# KiCad board engine-control-unit_prototype.kicad_pcb (continued)
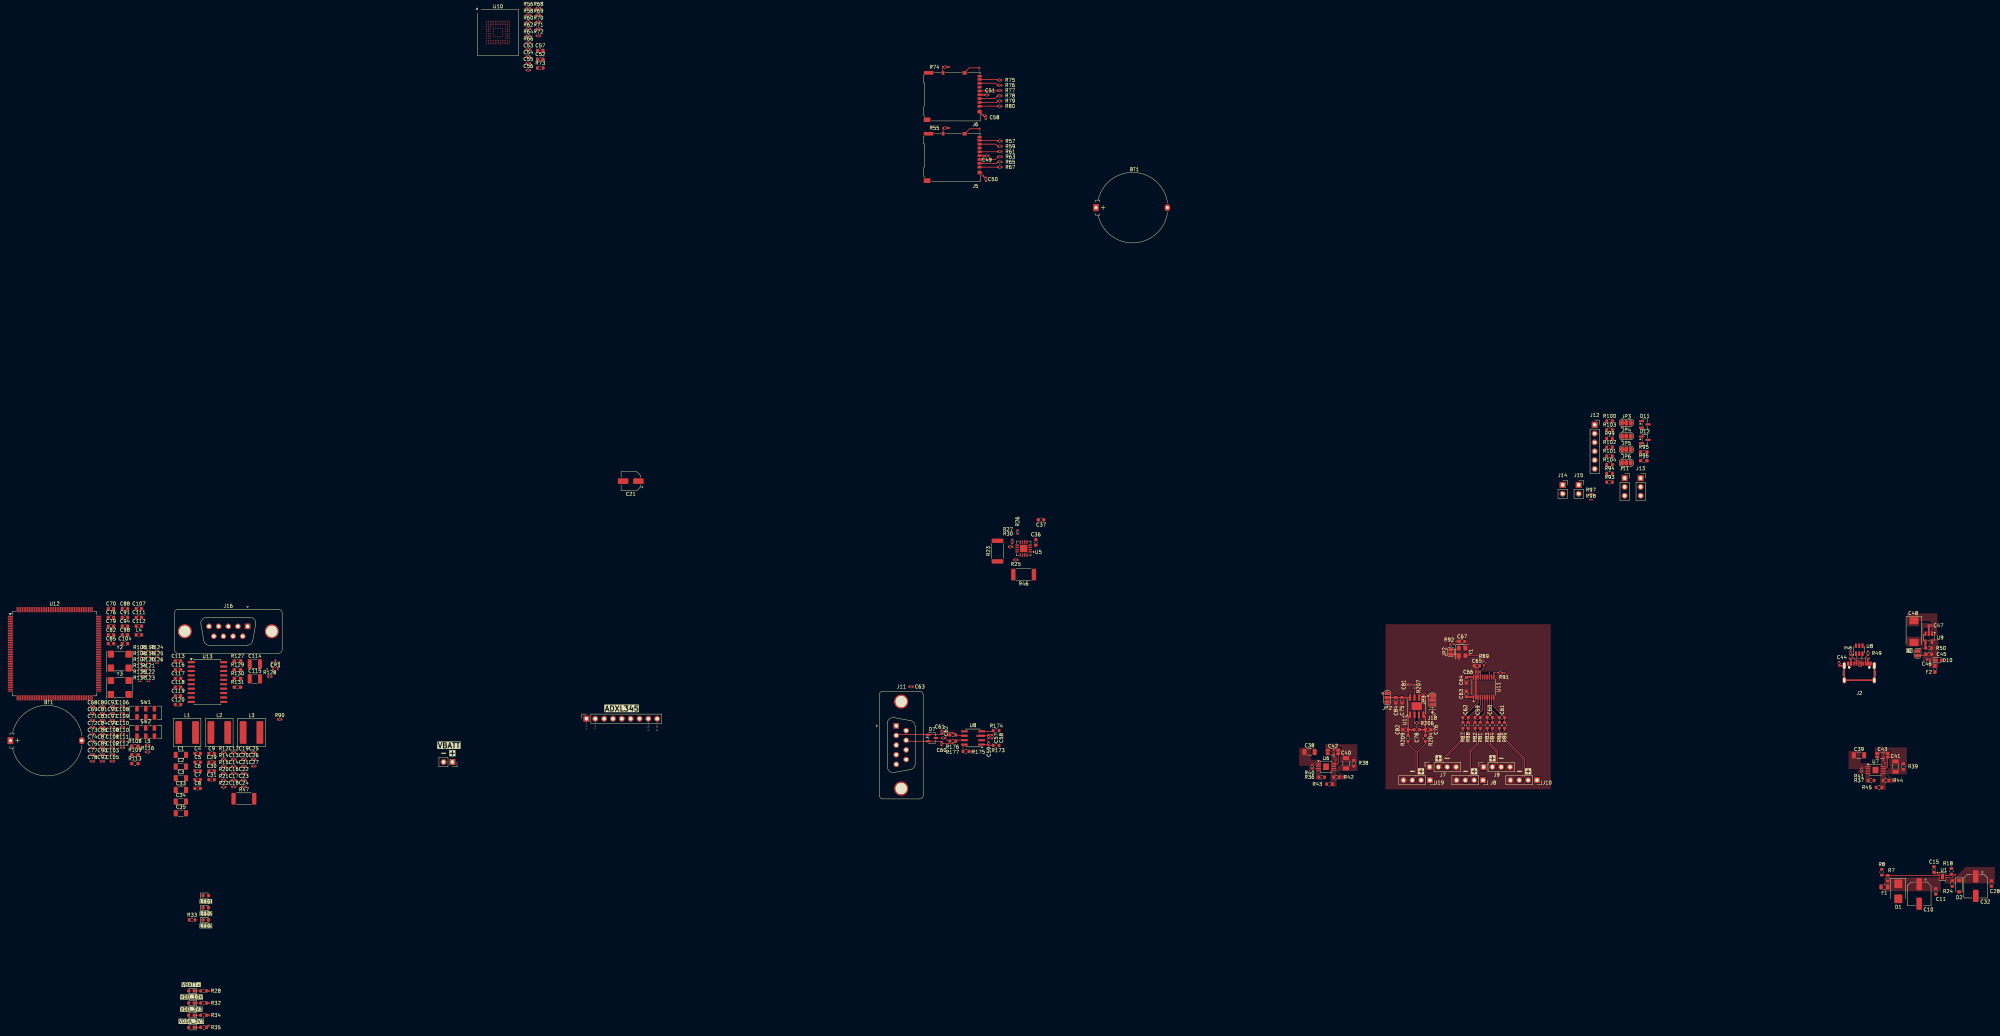
[diagram p0: board, top side]
## Routing (per net, layer and track width the routed paths; a pad name or vN(x,y) marks a point on that pad's centre or on a via; arc(x,y) is an arc through that point) (continued)
VDD_3V3: length 17.7
  Top w0.2: J5.4 v1(279.52,250.65) 280.02,250.65 C49.2 ; R74.1 269.69,276.12 v1(269.72,276.15) ; 417.15,110.17 C67.2 ; 417.15,110.17 414.69,110.17 R92.1 ; 417.15,110.17 418.1,109.22 Y1.4 ; R55.1 269.75,258.59 v1(269.77,258.62) ; C58.1 C57.2 280.86,83.86 U8.3 279.05,83.84 ; 278.39,268.18 v1(279.47,268.18) 279.92,268.18 279.97,268.13 ; R91.1 v1(429.4,101.95) ; R175.2 v1(276.07,79.34)
  Top w0.4: C64.1 418.46,100.71 v1(419.4,100.71) U11.20 ; v1(277.82,83.84) 279.05,83.84
VDDA: length 6.6
  Top w0.4: JP2.2 395.64,94.85 C84.2 398.15,94.82 C75#2.2 401.12,94.82 v1(401.12,94.83) U11#2.8
VDDA_3V3: length 2.1
  Top w0.4: C63#2.2 418.46,94.99 v1(419.62,94.99) U11.1
/ADC/ADS_SYNC/RESET: length 2.6
  Top w0.2: R91.2 v2(426.3,101.95) U11.11
/ADC/IN1+: length 12.5
  Top w0.2: J19.2 404.35,72.11 404.35,79.26 406.62,81.54 R204.2
/ADC/IN1-: length 12.6
  Top w0.2: R209.2 401.62,81.54 403.89,79.26 403.89,72.13 J19.3
/ADC/IN2+: length 14.5
  Top w0.2: R87.2 417.37,85.31 417.89,84.79 417.89,83.7 411.4,77.2 411.4,75.92 J7.2
/ADC/IN2-: length 14.5
  Top w0.2: J7.3 411.86,75.92 411.86,77.02 418.35,83.51 418.35,84.79 418.87,85.31 R88.2
/ADC/IN3+: length 16.5
  Top w0.2: R81.2 422.37,85.31 421.85,84.79 421.85,81.44 419.59,79.18 419.59,72.12 J8.2
/ADC/IN3-: length 16.5
  Top w0.2: J8.3 419.13,72.12 419.13,79.37 421.39,81.63 421.39,84.79 420.87,85.31 R82.2
/ADC/IN4+: length 12.6
  Top w0.2: R83.2 424.37,85.31 424.89,84.79 424.89,81.35 426.9,79.34 426.9,75.92 J9.2
/ADC/IN4-: length 12.6
  Top w0.2: J9.3 427.36,75.92 427.36,79.53 425.35,81.54 425.35,84.79 425.87,85.31 R84.2
/ADC/IN5+: length 18.2
  Top w0.2: R85.2 429.37,85.31 428.85,84.79 428.85,83.66 435.09,77.42 435.09,72.12 J10.2
/ADC/IN5-: length 18.2
  Top w0.2: R86.2 427.87,85.31 428.39,84.79 428.39,83.47 434.63,77.23 434.63,72.12 J10.3
/ADC/PT1: length 1.1
  Top w0.2: R207.1 403.49,98.53 C81#2.2
/COMMUNICATION/ADXL_SCL: length 2.3
  Top w0.2: 185.79,88.69 J4.9
  Bottom w0.2: R52.2 185.79,88.69
/COMMUNICATION/ADXL_SDA: length 2.3
  Top w0.2: 183.29,88.73 J4.8
  Bottom w0.2: R51.2 183.29,88.73
/COMMUNICATION/CANH: length 17.6
  Top w0.2: U8.7 271.9,82.59 R177.1 270.87,81.56 268.08,81.56 C60#2.2 267.38,82.26 D7#2.2 257.69,82.27 J11#2.7
/COMMUNICATION/CANL: length 20.4
  Top w0.2: 254.56,83.94 254.78,84.16 D7#2.1 ; 263.69,84.16 267.38,84.17 C61.2 268.08,84.87 270.87,84.87 R176.1 271.88,83.86 U8.6
/COMMUNICATION/TCAN_STBY: length 2.1
  Top w0.2: R175.1 273.75,80.94 U8.8
/GPIO_EXTI2: length 1.2
  Top w0.2: v2(425,101.95) U11.13
/POWER/EFUSE_FLT: length 2.8
  Top w0.2: v1(558.73,43.86) 558.73,43.84 558.01,43.12 556.2,43.12
/POWER/Psense2_IN+: length 10.2
  Top w0.2: U6.9 381.05,75.45 381.55,75.95 C42.1
  Bottom w0.2: v1(380.8,76.95) 380.8,74.2 v1(383.05,71.95)
  vias: v1(380.3,79.7) v1(380.3,78.7) v1(380.3,77.7)
/POWER/Psense3_IN+: length 10.2
  Top w0.2: C43.1 539.45,75 538.95,74.5 U7.9
  Bottom w0.2: v1(538.7,76) 538.7,73.25 v1(540.95,71)
  vias: v1(538.2,78.75) v1(538.2,77.75) v1(538.2,76.75)
/SD1_DET: length 1.7
  Top w0.2: R55.2 268,258.55 J5.10
/SD2_DET: length 1.7
  Top w0.2: 267.94,276.12 267.89,276.07 267.89,274.48
/SDMMC1_CK: length 5.3
  Top w0.2: J5.5 283.71,251.75 283.8,251.84
/SDMMC1_CMD: length 5.6
  Top w0.2: J5.3 283.01,249.55 R63.2
/SDMMC1_D0: length 5.6
  Top w0.2: 283.8,253.34 283.19,253.95 J5.7
/SDMMC1_D1: length 5.4
  Top w0.2: J5.8 283.6,255.05 R57.2
/SDMMC1_D2: length 5.3
  Top w0.2: R67.2 283.8,247.35 J5.1
/SDMMC1_D3: length 5.5
  Top w0.2: R65.2 283.4,248.45 J5.2
/SDMMC2_CK: length 5.3
  Top w0.2: 278.39,269.28 283.6,269.28 283.69,269.38
/SDMMC2_CMD: length 5.6
  Top w0.2: 283.7,267.88 282.9,267.08 278.39,267.08
/SDMMC2_D0: length 5.6
  Top w0.2: 278.39,271.48 283.09,271.48 283.69,270.88
/SDMMC2_D1: length 5.4
  Top w0.2: 283.69,272.38 283.48,272.58 278.39,272.58
/SDMMC2_D2: length 5.3
  Top w0.2: 278.39,264.88 283.69,264.88 283.69,264.88
/SDMMC2_D3: length 5.5
  Top w0.2: 283.69,266.38 283.3,265.98 278.39,265.98
Net-(C62-Pad2): length 3.6
  Top w0.2: R177.2 269.43,82.34 268.55,83.22 269.43,84.09 R176.2
Net-(D3-K): length 1.9
  Top w0.2: R28.1 D3.1
Net-(D6-K): length 1.9
  Top w0.2: D6.1 R32.1
Net-(D8-K): length 1.9
  Top w0.2: D8.1 R34.1
Net-(D9-K): length 1.9
  Top w0.2: D9.1 R35.1
Net-(F2-Pad1): length 8.8
  Top w0.4: v1(528.52,106.09) 528.9,105.71 J2.A4 ; v1(534.02,106.09) 533.7,105.76 J2.A9
  Bottom w0.4: v1(534.02,106.09) v1(528.52,106.09)
Net-(J2-CC1): length 3
  Top w0.2: J2.A5 530.05,105.8 R48.2
Net-(J2-CC2): length 2.8
  Top w0.2: J2.B5 533.05,106.35 R49.1
Net-(J2-D+-PadA6): length 5.4
  Top w0.2: U8#2.3 532.05,107.27 J2.B6 532.05,103.98 531.78,103.71 531.31,103.71 531.05,103.98 J2.A6
Net-(J2-D--PadA7): length 5.4
  Top w0.2: J2.A7 531.55,105.19 531.28,105.46 530.81,105.46 530.55,105.19 J2.B7 530.55,107.23 U8#2.1
Net-(J2-SHIELD): length 18.5
  Top w0.4: J2.S1 J2.S1 J2.S1 J2.S1 525.62,104.01 C44.2
Net-(J4-Pin_1): length 2.2
  Top w0.2: 165.54,88.74 J4.1
  Bottom w0.2: R54.2 165.54,88.74
Net-(J4-Pin_2): length 2.2
  Top w0.2: 168.04,88.72 J4.2
  Bottom w0.2: R53.2 168.04,88.72
Net-(J5-SHIELD): length 22
  Top w0.2: 280.31,244.32 279.98,244.32 ; 279.98,244.32 v1(279.48,244.82) ; 279.98,244.32 J5.11 ; v1(278.52,258.38) 275.63,258.38 J5.11
  Bottom w0.2: v1(279.48,244.82) 278.52,245.77 v1(278.52,258.38)
Net-(J6-SHIELD): length 22
  Top w0.2: v1(278.42,275.9) 275.51,275.9 274.09,274.48 ; 280.2,261.86 279.87,261.86 ; 279.87,261.86 v1(279.37,262.36) ; 279.87,261.86 278.39,263.33
  Bottom w0.2: v1(278.42,275.9) 278.42,263.31 v1(279.37,262.36)
Net-(J11-PAD): length 0.3
  Top w0.2: 253.83,93.43 254.04,93.64
Net-(J18-Pin_1): length 2.2
  Top w0.2: JP3#2.3 J18.1
Net-(JP1-B): length 4.7
  Top w0.2: JP1.2 548.88,109.05 R50.2 550.3,109.17
  Top w0.5: U9.4 550.3,109.17
Net-(JP2-B): length 4.2
  Top w0.2: R92.2 413.64,108.86 JP2#2.2 415.75,108.6 Y1.1
Net-(JP3-C): length 5.9
  Top w0.2: JP3#2.2 407.67,94.1 407.56,94.21 407.56,95.1 406.56,96.1 405.68,96.1 404.75,95.17 U11#2.6
Net-(U1-dVdt): length 1.7
  Top w0.2: C15.1 553.23,44.12 554.3,44.12
Net-(U1-EN/UVLO): length 16.6
  Top w0.2: 554.3,43.62 539.58,43.62 R7.2 539.4,43.8 R8.1
Net-(U1-ILM): length 1.7
  Top w0.2: R18.1 557.33,43.62 556.2,43.62
Net-(U8-RXD): length 3.1
  Top w0.2: U8.4 282.21,85.13
Net-(U8-TXD): length 3.4
  Top w0.2: 254.02,89.41 254.04,89.39 ; 282.4,81.11 C59#2.2 280.86,81.32 U8.1
Net-(U11-+): length 7.9
  Top w0.4: C76#2.1 406.62,85.55 R204.1 ; C76#2.1 C78#2.2 ; C76#2.1 406.6,89.31 U11#2.4
Net-(U11--): length 7.9
  Top w0.4: U11#2.1 401.64,89.31 C82.2 ; C82.2 401.64,84.02 401.62,84 R209.1 ; C82.2 C78#2.1
Net-(U11-AIN0N): length 8.8
  Top w0.2: R88.1 418.87,89.08 C62.1 422.39,92.6 U11.4
Net-(U11-AIN0P): length 9.1
  Top w0.2: U11.3 421.75,93.5 C62.2 417.37,89.08 R87.1
Net-(U11-AIN1N): length 8.2
  Top w0.2: R82.1 420.87,89.08 C59.1 423.05,91.3 U11.5
Net-(U11-AIN1P): length 7.9
  Top w0.2: U11.6 423.69,90.4 C59.2 422.37,89.08 R81.1
Net-(U11-AIN2N): length 7.7
  Top w0.2: R84.1 425.87,89.08 C60.1 425,90 U11.8
Net-(U11-AIN2P): length 7.3
  Top w0.2: U11.7 C60.2 424.37,89.08 R83.1
Net-(U11-AIN3N): length 8.2
  Top w0.2: R86.1 427.87,89.08 C61#2.1 425.64,91.3 U11.9
Net-(U11-AIN3P): length 8.6
  Top w0.2: U11.10 426.3,92.2 C61#2.2 429.37,89.08 R85.1
Net-(U11-CAP): length 3.4
  Top w0.2: C65.2 422.14,103.95 421.75,103.55 U11.18
Net-(U11-CLKIN): length 4
  Top w0.2: R89.2 423.4,103.37 C66.2 422.39,102.03 U11.17
Net-(U11-RG+): length 2.4
  Top w0.2: U11#2.2 403.49,87.66 R206.1
Net-(U11-RG-): length 2.4
  Top w0.2: U11#2.3 404.75,87.66 R206.2
Net-(U11-VOUT): length 2.7
  Top w0.2: R207.2 403.49,97.51 U11#2.7
Net-(Y1-OUT): length 6
  Top w0.2: Y1.3 421.76,106.85 R89.1

## Copper pours and planes (outline as drawn; the poured copper is in the pictures)
GND on Top: 544.87,109.55 549.75,109.55 549.75,114.8 551.5,114.8 551.5,116.3 549,116.3 549,112.3 544.87,112.3
GND on Top: 551.25,108.05 551.25,105.3 549.5,105.3 549.5,108.05
GND on Top: 377.8,79.2 377.8,81.45 387.05,81.45 387.05,75.95 382.05,75.95 382.05,79.2
GND on Top: 535.7,78.25 535.7,80.5 544.95,80.5 544.95,75 539.95,75 539.95,78.25
GND on Top: 395.15,68.45 395.15,115.95 442.65,115.95 442.65,68.45
VBAT_SAFE on Top: 555.75,41.38 570.25,41.38 570.25,46.12 561.75,46.12 558.5,42.88 555.75,42.88
VDD50_USB on Top: 551.75,112.55 551.75,116.8 548.5,116.8 548.5,115.3 545,115.3 545,119.05 553.75,119.05 553.75,112.55
VDD_3V3 on In1.Cu, In2.Cu: 431.65,115.95 411.4,115.95 411.4,99.7 431.65,99.85
/COMMUNICATION/RCP_IN on Top: 554,111.8 551.25,111.8 551.25,103.3 554,103.3
/POWER/EFUSE_VBATT on Top: 554.75,43.12 538.5,43.12 538.5,39.12 554.75,39.12
/POWER/LDO3V3A_CSET on Top: 537.45,73.75 538.95,73.75 539.95,74.75 544.95,74.75 544.95,72.75 539.45,72.75 538.95,73.25 537.45,73.25
/POWER/LDO3V3A_ILIM on Top: 532.95,73.25 532.95,70.25 534.45,70.25 534.45,73.25
/POWER/LDO3V3A_PG on Top: 534.45,73.75 532.95,73.75 532.7,74 530.95,74 530.95,73 532.7,73 532.95,73.25 534.45,73.25
/POWER/LDO3V3A_PGFB on Top: 537.2,73.25 537.2,68.25 538.95,68.25 538.95,73.25
/POWER/LDO10V_CSET on Top: 379.55,74.7 381.05,74.7 382.05,75.7 387.05,75.7 387.05,73.7 381.55,73.7 381.05,74.2 379.55,74.2
/POWER/LDO10V_ILIM on Top: 375.05,74.2 375.05,71.2 376.55,71.2 376.55,74.2
/POWER/LDO10V_PG on Top: 376.55,74.7 375.05,74.7 374.8,74.95 373.05,74.95 373.05,73.95 374.8,73.95 375.05,74.2 376.55,74.2
/POWER/LDO10V_PGFB on Top: 379.3,74.2 379.3,69.2 381.05,69.2 381.05,74.2
/POWER/Psense2_IN+ on Top: 381.3,72.7 383.55,72.7 383.55,71.2 381.3,71.2
/POWER/Psense2_IN+ on Top: 379.55,75.7 381.05,75.7 381.3,75.95 381.3,78.2 380.8,78.2 380.8,79.2 382.3,79.2 382.3,80.45 379.55,80.45
/POWER/Psense2_IN+ on Bottom: 379.55,75.7 379.55,80.45 382.3,80.45 382.3,75.7
/POWER/Psense3_IN+ on Top: 537.45,74.75 538.95,74.75 539.2,75 539.2,77.25 538.7,77.25 538.7,78.25 540.2,78.25 540.2,79.5 537.45,79.5
/POWER/Psense3_IN+ on Top: 539.2,71.75 541.45,71.75 541.45,70.25 539.2,70.25
/POWER/Psense3_IN+ on Bottom: 537.45,74.75 537.45,79.5 548.7,79.5 548.7,75.75 540.2,74.75
/POWER/TPS3V3A_VOUT on Top: 534.45,74.25 528.2,74.25 528.2,79.5 531.7,79.5 531.7,76 534.45,76
/POWER/TPS10V_VOUT on Top: 376.55,75.2 370.3,75.2 370.3,80.45 373.8,80.45 373.8,76.95 376.55,76.95

## Text on the board
F.Silkscreen: - | +
User.1: https://www.ti.com/lit/ds/symlink/tps2069c.pdf#page=23
